# Allegro board SSOM_K1_Layout.brd (continued)
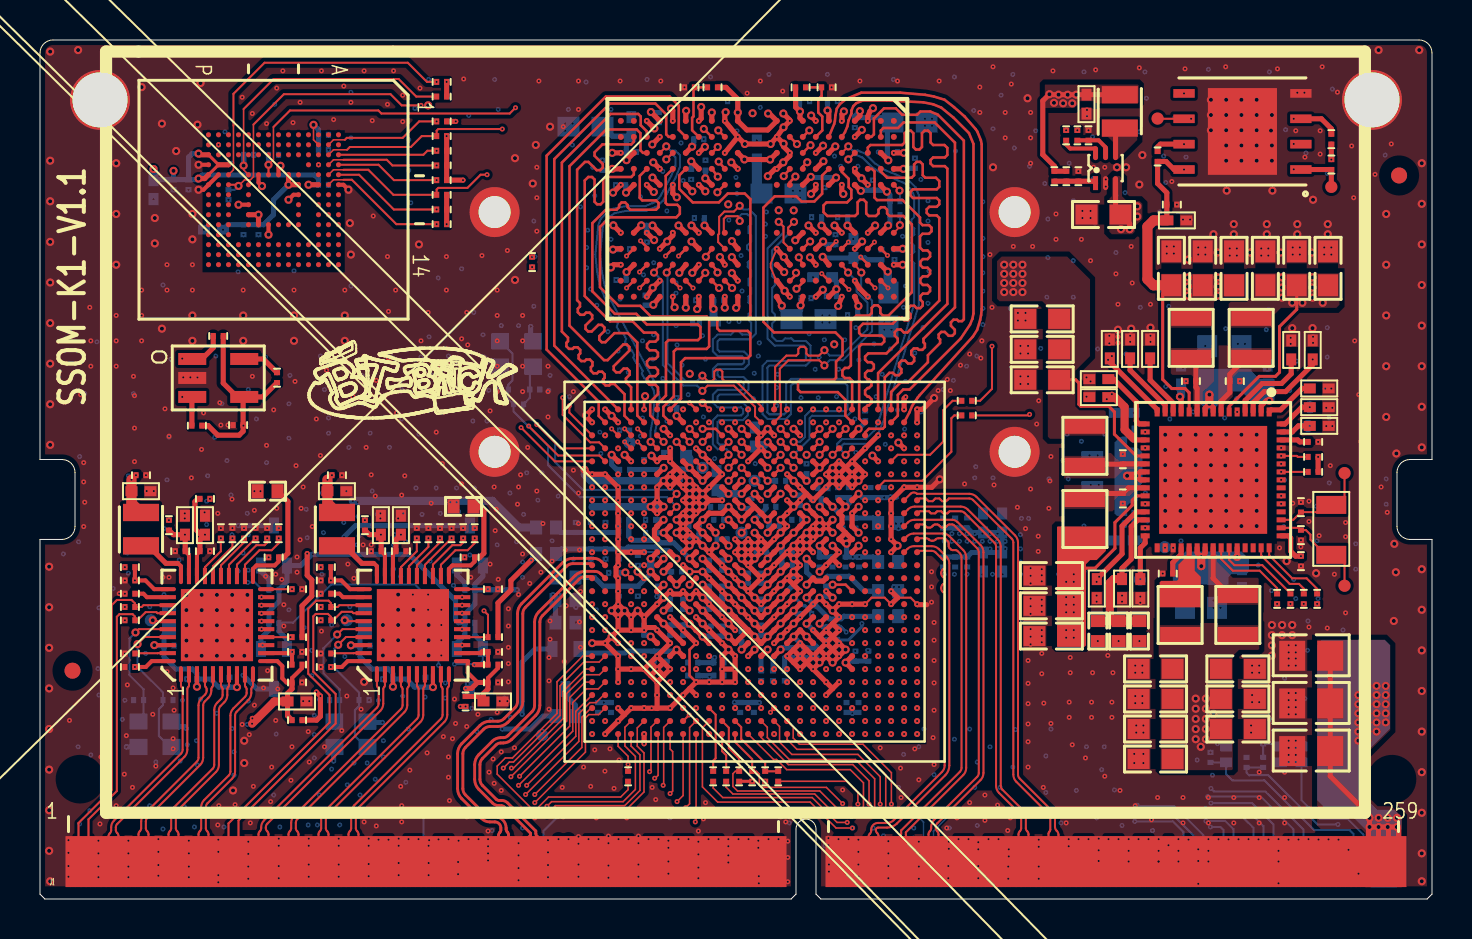
[diagram p0: board, top side]
## Nets (continued)
GND: BH2.1 BH3.1 BH4.1 BH5.1(NC_1) BH6.1(NC_1) BH11.1 C1.1 C2.1 C3.1 C4.1 C5.1 C6.1 C7.1 C8.1 C9.1 C10.1 C11.1 C12.1 C13.1 C14.1 C15.1 C16.1 C17.1 C18.1 C19.1 C20.1 C21.1 C22.1 C23.1 C24.1 C25.1 C26.1 C27.1 C28.2 C29.1 C30.1 C31.1 C32.1 C33.1 C34.1 C35.1 C36.1 C37.1 C38.2 C39.2 C40.1 C41.1 C42.2 C43.1 C44.1 C45.1 C46.1 C47.1 C48.1 C49.1 C50.1 C51.1 C52.1 C53.1 C54.1 C55.2 C56.1 C57.1 C58.1 C59.1 C60.1 C61.1 C62.1 C63.1 C64.1 C65.1 C66.2 C67.1 C68.1 C69.1 C70.1 C71.1 C72.1 C73.1 C74.1 C75.1 C76.1 C77.1 C78.1 C79.1 C80.1 C81.1 C82.1 C83.1 C84.1 C85.1 C86.1 C87.1 C88.1 C89.1 C90.1 C91.1 C92.1 C93.1 C94.1 C95.1 C96.1 C97.1 C98.1 C99.1 C100.1 C101.1 C102.1 C103.1 C104.1 C105.1 C106.1 C107.1 C108.1 C109.1 C125.1 C127.1 C129.1 C130.1 C131.1 C132.1 C133.1 C134.1 C135.1 C136.1 C137.1 C138.1 C139.1 C140.1 C141.1 C142.1 C143.1 C144.1 C145.1 C146.1 C147.1 C148.1 C149.1 C150.1 C151.1 C152.1 C153.1 C154.1 C155.1 C156.1 C157.1 C158.2 C159.1 C160.1 C161.1 C162.1 C163.1 C164.1 C165.1 C166.1 C167.1 C168.1 C169.1 C170.1 C171.1 C172.1 C173.1 C174.1 C175.2 C176.2 C177.1 C178.1 C179.1 C180.1 C181.1 C182.1 C183.1 C184.1 C185.1 C186.1 C187.1 C188.1 C189.1 C190.1 C191.1 C192.1 C193.1 C194.1 C195.1 C196.1 C197.1 C198.1 C199.1 C200.1 C201.1 C202.1 C203.1 C204.1 C205.1 C206.1 C207.1 C208.1 C209.1 C210.1 C211.1 C212.1 C213.1 C214.1 C215.1 C216.1 C217.1 C218.1 C219.1 C220.1 C221.1 C222.1 C223.2 C224.2 C225.2 C226.1 C227.2 C228.2 C229.1 C230.1 C231.2 C232.2 C233.1 C234.2 C235.1 C236.2 C237.1 C238.2 C239.2 C240.1 C241.1 C242.1 C243.2 C244.1 C245.1 C251.2 C252.1 C253.1 C254.2 C255.2 C256.1 C257.2 C258.1 C259.2 C260.1 C261.2 C262.2 C263.1 C264.1 C265.1 C266.2 C267.1 C268.1 D2.1 D3.1 J1.1 J1.2 J1.7 J1.8 J1.13 J1.14 J1.19 J1.20 J1.25 J1.26 J1.31 J1.32 J1.37 J1.38 J1.43 J1.44 J1.49 J1.50 J1.55 J1.56 J1.61 J1.62 J1.67 J1.68 J1.73 J1.74 J1.79 J1.80 J1.85 J1.86 J1.91 J1.92 J1.97 J1.98 J1.103 J1.104 J1.109 J1.115 J1.121 J1.127 J1.128 J1.133 J1.134 J1.139 J1.145 J1.146 J1.151 J1.157 J1.163 J1.169 J1.175 J1.178 J1.181 J1.182 J1.187 J1.190 J1.193 J1.199 J1.200 J1.205 J1.206 J1.211 J1.215 J1.219 J1.221 J1.235 R2.2 R14.1 R44.1 R45.2 R49.2 R53.2 R57.2 R77.1 R80.1 R91.1 R92.1 R97.1 R131.2 R132.2 R136.2 R138.2 R157.2 R159.2 R164.1 R193.2 R194.2 R219.2 R221.2 R222.2 R223.2 R224.2 R225.2 U1.A1 U1.A2 U1.A5 U1.A10 U1.A20 U1.A25 U1.A26 U1.AA3 U1.AA4 U1.AA5 U1.AA6 U1.AA7 U1.AA11 U1.AA12 U1.AA17 U1.AA18 U1.AA26 U1.AB3 U1.AB6 U1.AB9 U1.AB10 U1.AB11 U1.AB12 U1.AB19 U1.AB20 U1.AB24 U1.AC6 U1.AC8 U1.AC9 U1.AC16 U1.AC19 U1.AC25 U1.AD3 U1.AD4 U1.AD5 U1.AD6 U1.AD7 U1.AD16 U1.AE1 U1.AE3 U1.AE13 U1.AE24 U1.AE26 U1.AF1 U1.AF2 U1.AF5 U1.AF10 U1.AF15 U1.AF20 U1.AF25 U1.AF26 U1.B1 U1.B3 U1.B13 U1.B23 U1.B26 U1.C7 U1.C14 U1.C15 U1.C17 U1.C23 U1.D7 U1.D9 U1.D14 U1.D22 U1.D25 U1.E4 U1.E6 U1.E7 U1.E10 U1.E13 U1.E20 U1.E21 U1.E23 U1.F1 U1.F2 U1.F7 U1.F8 U1.F11 U1.F16 U1.F19 U1.F20 U1.F21 U1.F22 U1.G3 U1.G6 U1.G7 U1.G8 U1.G9 U1.G10 U1.G17 U1.G19 U1.G20 U1.G21 U1.G25 U1.G26 U1.H3 U1.H6 U1.H8 U1.H9 U1.H10 U1.H11 U1.H14 U1.H16 U1.H17 U1.H18 U1.H24 U1.J3 U1.J6 U1.J8 U1.J9 U1.J16 U1.J18 U1.J21 U1.J24 U1.K3 U1.K8 U1.K10 U1.K16 U1.K18 U1.K19 U1.K21 U1.K24 U1.L3 U1.L8 U1.L9 U1.L12 U1.L13 U1.L14 U1.L15 U1.L17 U1.L18 U1.L24 U1.M3 U1.M4 U1.M5 U1.M8 U1.M10 U1.M12 U1.M13 U1.M14 U1.M16 U1.M17 U1.M18 U1.M20 U1.M21 U1.M24 U1.N3 U1.N8 U1.N11 U1.N13 U1.N15 U1.N17 U1.N19 U1.N20 U1.P3 U1.P5 U1.P10 U1.P12 U1.P14 U1.P16 U1.P17 U1.R3 U1.R7 U1.R8 U1.R9 U1.R11 U1.R13 U1.R15 U1.R17 U1.R19 U1.R24 U1.T3 U1.T6 U1.T10 U1.T12 U1.T14 U1.T16 U1.T18 U1.T19 U1.T20 U1.T21 U1.T22 U1.T24 U1.T26 U1.U3 U1.U4 U1.U5 U1.U7 U1.U9 U1.U11 U1.U13 U1.U15 U1.U17 U1.U20 U1.V3 U1.V4 U1.V5 U1.V6 U1.V8 U1.V10 U1.V12 U1.V14 U1.V16 U1.V18 U1.V19 U1.V20 U1.V22 U1.V25 U1.W1 U1.W2 U1.W3 U1.W7 U1.W9 U1.W11 U1.W15 U1.W17 U1.W19 U1.W20 U1.W24 U1.Y3 U1.Y6 U1.Y11 U1.Y12 U1.Y13 U1.Y16 U1.Y17 U1.Y18 U1.Y19 U1.Y20 U1.Y24 U4.2 U5.5 U5.33 U5.57 U5.61 U6.A3 U6.A10 U6.AB3 U6.AB5 U6.AB8 U6.AB10 U6.C1 U6.C5 U6.C8 U6.C12 U6.D2 U6.D4 U6.D9 U6.D11 U6.E1 U6.E5 U6.E8 U6.E12 U6.G1 U6.G3 U6.G5 U6.G8 U6.G10 U6.G12 U6.J1 U6.J3 U6.J10 U6.J12 U6.K2 U6.K4 U6.K9 U6.K11 U6.N2 U6.N4 U6.N9 U6.N11 U6.P1 U6.P3 U6.P10 U6.P12 U6.T1 U6.T3 U6.T5 U6.T8 U6.T10 U6.T12 U6.V1 U6.V5 U6.V8 U6.V12 U6.W2 U6.W4 U6.W9 U6.W11 U6.Y1 U6.Y5 U6.Y8 U6.Y12 U7.A6 U7.C4 U7.E7 U7.G5 U7.H10 U7.J5 U7.K8 U7.N2 U7.N5 U7.P4 U7.P6 U8.4 U8.9 U9.2 U10.41 U11.41 Y1.2 Y1.4(GND#4) Y3.2 Y3.4 Y4.2 Y4.4
VBUS_ON0: R100.1 U1.E3
VCC1V8_SYS: C82.2 C83.2 C84.2 C85.2 C86.2 C87.2 C88.2 C89.2 C90.2 C138.2 C139.2 C140.2 C217.2 C218.2 C219.2 C220.2 C227.1 FB6.1 FB7.1 L6.2 Q9.1 Q10.1 Q11.1 Q12.1 R11.2 R12.2 R73.2 R74.2 R96.2 R100.2 R102.1 R103.2 R104.2 R111.1 R115.1 R125.1 R171.1 R175.1 R185.1 R208.2 U1.AA21 U1.AC3 U1.AC11 U1.AC14 U1.AD11 U1.AD21 U1.AD22 U1.F6 U1.Y21 U5.6 U7.C6 U7.M4 U7.N4 U7.P3 U7.P5 U9.4
VCC3V3_SYS: C96.2 C97.2 C99.2 C144.2 C145.2 C146.2 C214.2 C215.2 C216.2 C224.1 C225.1 FB8.1 FB9.1 FB10.1 L7.2 R93.2 R94.2 R95.2 R144.2 R145.2 R204.2 R206.2 U1.AA13 U1.AA15 U1.H21 U5.11 U7.E6 U7.F5 U7.J10 U7.K9 U8.8
VCC4V0_SYS: C1.2 C2.2 C3.2 C125.2 C129.2 C133.2 C137.2 C143.2 C147.2 C152.2 C159.2 C175.1 J1.253 J1.254 J1.255 J1.256 J1.257 J1.258 J1.259 Q2.1 R40.1 R52.2 R56.2 U4.3 U5.2 U5.8 U5.9 U5.22 U5.23 U5.36 U5.37 U5.41
VCC5V0_SYS: C157.2 U5.12
VCC_BAT: C174.2 J1.260 U5.46
VCC_M1: C25.2 C26.2 C27.2 C28.1 C29.2 C30.2 C31.2 C32.2 C33.2 C42.1 C43.2 C44.2 C45.2 C46.2 C47.2 C48.2 C49.2 C55.1 C56.2 C57.2 C58.2 C59.2 C60.2 C61.2 C62.2 C63.2 C64.2 C65.2 C66.1 C67.2 C68.2 C69.2 C70.2 C71.2 C72.2 C73.2 C74.2 C130.2 C131.2 C132.2 C134.2 C135.2 C136.2 FB1.1 FB2.1 FB3.1 FB4.1 FB5.1 L4.2 L5.2 U1.H13 U1.J10 U1.J11 U1.J12 U1.J13 U1.J14 U1.J15 U1.J17 U1.K9 U1.K15 U1.K17 U1.L10 U1.L16 U1.M15 U1.N10 U1.N12 U1.N14 U1.N16 U1.P11 U1.P13 U1.P15 U1.R10 U1.R12 U1.R14 U1.R16 U1.T9 U1.T11 U1.T13 U1.T15 U1.T17 U1.U6 U1.U8 U1.U10 U1.U12 U1.U14 U1.U16 U1.V7 U1.V9 U1.V11 U1.V13 U1.V15 U1.V17 U1.W6 U1.W8 U1.W10 U1.W12 U1.W14 U1.W16 U1.W18
VDD09_CORE_B_FB: R7.2 R47.2
VDD09_CORE_B_FBGND: R8.1 R48.2
ALDO1_3V3: C98.2 C160.2 U1.AA14 U5.3
ALDO2_2V8: C161.2 U5.4
ALDO3_2V8: C162.2 U5.1
ALDO4_2V8: C163.2 TP8.1(PIN1) U5.60
AONLDO: C164.2 TP9.1(PIN1) U5.59
AP_I2C2_SCL: J1.192 R103.1 U1.AE8 U9.1
AP_I2C2_SDA: J1.194 R104.1 U1.AD9 U9.3
AP_I2C3_SCL_3V3: J1.174 U1.AB16
AP_I2C3_SDA_3V3: J1.176 U1.AB15
AP_I2C4_SCL_3V3: J1.170 U1.AB13
AP_I2C4_SDA_3V3: J1.172 U1.AC12
AP_I2C6_SCL: J1.100 U1.C3
AP_I2C6_SDA: J1.102 U1.C2
AP_WAKE_BT: J1.241 U1.U22
AUD_VDDU09: FB2.2 U1.R18
AUD_VNEG: U1.N22
AUD_VPOS: U1.N21
AUX_MICN: U1.R22
AUX_MICP: U1.R23
BG_OUT: C109.2 TP5.1(PIN1) U1.K11
BT_RESETN: J1.243 U1.E5
BT_WAKE_AP: J1.247 U1.E2
BUCK5_2V1: C148.2 C149.2 C151.2 C165.2 C166.2 L8.2 U5.17 U5.25 U5.29
CAN_RX0: J1.166 U1.AD15
CAN_TX0: J1.168 U1.AE16
CODEC_IRQ: J1.238 U1.U25
CSI1_CKN: J1.12 U1.H4
CSI1_CKP: J1.10 U1.H5
CSI1_DN0: J1.6 U1.G4
CSI1_DN1: J1.18 U1.G1
CSI1_DN2: J1.24 U1.H1
CSI1_DN3: J1.30 U1.J4
CSI1_DP0: J1.4 U1.G5
CSI1_DP1: J1.16 U1.G2
CSI1_DP2: J1.22 U1.H2
CSI1_DP3: J1.28 U1.J5
CSI1_PWDN: J1.70 U1.D2
CSI1_RST: J1.72 U1.AF9
CSI2_CKN: J1.66 U1.L4
CSI2_CKP: J1.64 U1.L5
CSI3_CKN: J1.42 U1.K1
CSI3_CKP: J1.40 U1.K2
CSI3_DN0: J1.36 U1.J1
CSI3_DN1: J1.48 U1.K4
CSI3_DN2: J1.54 U1.L1
CSI3_DN3: J1.60 U1.M1
CSI3_DP0: J1.34 U1.J2
CSI3_DP1: J1.46 U1.K5
CSI3_DP2: J1.52 U1.L2
CSI3_DP3: J1.58 U1.M2
CSI3_PWDN: J1.84 U1.V23
CSI3_RST: J1.82 U1.D4
CSI_DVDD12: C168.2 U5.14
CSI_I2C0_SCL: J1.76 U1.C4
CSI_I2C0_SDA: J1.78 U1.C5
CSI_MCLK: J1.88 U1.D5
CSI_VCCIO18: C169.2 U5.16
DACL_N: U1.P21
DACL_P: U1.P22
DACR_N: U1.P20
DACR_P: U1.R20
DDR_CA_A0: U1.D19 U6.H2
DDR_CA_A1: U1.C19 U6.J2
DDR_CA_A2: U1.D16 U6.H9
DDR_CA_A3: U1.F15 U6.H10
DDR_CA_A4: U1.C16 U6.H11
DDR_CA_A5: U1.E15 U6.J11
DDR_CA_B0: U1.D8 U6.R2
DDR_CA_B1: U1.C9 U6.P2
DDR_CA_B2: U1.D12 U6.R9
DDR_CA_B3: U1.E12 U6.R10
DDR_CA_B4: U1.D13 U6.R11
DDR_CA_B5: U1.C13 U6.P11
DDR_CK_C_A: U1.D17 U6.J9
DDR_CK_C_B: U1.D11 U6.P9
DDR_CK_T_A: U1.E17 U6.J8
DDR_CK_T_B: U1.E11 U6.P8
DDR_CKE0_A: U1.D18 U6.J4
DDR_CKE0_B: U1.C10 U6.P4
DDR_CKE1_A: U1.C18 U6.J5
DDR_CKE1_B: U1.C11 U6.P5
DDR_CS0_A: U1.E16 U6.H4
DDR_CS0_B: U1.F12 U6.R4
DDR_CS1_A: U1.C20 U6.H3
DDR_CS1_B: U1.C8 U6.R3
DDR_DMI0_A: U1.A23 U6.C3
DDR_DMI0_B: U1.A4 U6.Y3
DDR_DMI1_A: U1.B18 U6.C10
DDR_DMI1_B: U1.B10 U6.Y10
DDR_DQ_A0: U1.C22 U6.B2
DDR_DQ_A1: U1.A24 U6.C2
DDR_DQ_A2: U1.B24 U6.E2
DDR_DQ_A3: U1.B25 U6.F2
DDR_DQ_A4: U1.B21 U6.F4
DDR_DQ_A5: U1.A21 U6.E4
DDR_DQ_A6: U1.B22 U6.C4
DDR_DQ_A7: U1.A22 U6.B4
DDR_DQ_A8: U1.A18 U6.B11
DDR_DQ_A9: U1.A17 U6.C11
DDR_DQ_A10: U1.B17 U6.E11
DDR_DQ_A11: U1.B16 U6.F11
DDR_DQ_A12: U1.A16 U6.F9
DDR_DQ_A13: U1.B20 U6.E9
DDR_DQ_A14: U1.B19 U6.C9
DDR_DQ_A15: U1.A19 U6.B9
DDR_DQ_B0: U1.B5 U6.AA2
DDR_DQ_B1: U1.B4 U6.Y2
DDR_DQ_B2: U1.A3 U6.V2
DDR_DQ_B3: U1.B2 U6.U2
DDR_DQ_B4: U1.A7 U6.U4
DDR_DQ_B5: U1.B7 U6.V4
DDR_DQ_B6: U1.A6 U6.Y4
DDR_DQ_B7: U1.B6 U6.AA4
DDR_DQ_B8: U1.B11 U6.AA11
DDR_DQ_B9: U1.A11 U6.Y11
DDR_DQ_B10: U1.B12 U6.V11
DDR_DQ_B11: U1.A13 U6.U11
DDR_DQ_B12: U1.A12 U6.U9
DDR_DQ_B13: U1.A8 U6.V9
DDR_DQ_B14: U1.B9 U6.Y9
DDR_DQ_B15: U1.A9 U6.AA9
DDR_DQS0_C_A: U1.D21 U6.E3
DDR_DQS0_C_B: U1.D6 U6.V3
DDR_DQS0_T_A: U1.D20 U6.D3
DDR_DQS0_T_B: U1.C6 U6.W3
DDR_DQS1_C_A: U1.A15 U6.E10
DDR_DQS1_C_B: U1.A14 U6.V10
DDR_DQS1_T_A: U1.B15 U6.D10
DDR_DQS1_T_B: U1.B14 U6.W10
DDR_LDO_CAP: C4.2 U1.F17
DDR_ODT_A: R77.2 R78.2 U6.G2
DDR_ODT_B: R79.2 R80.2 U6.T2
DDR_RESET_N: U1.F13 U6.T11
DLDO6_1V8: C172.2 FB11.1 FB12.1 FB13.1 U5.28
DLDO7_1V8: C173.2 TP10.1(PIN1) U5.30
EAR_N: U1.N26
EAR_P: U1.N25
EMMC_CLK: R1.1 R92.2 U7.M6
EMMC_CMD: R89.1 U1.F25 U7.M5
EMMC_D0: R81.1 U1.D26 U7.A3
EMMC_D1: R82.1 U1.D24 U7.A4
EMMC_D2: R83.1 U1.C26 U7.A5
EMMC_D3: R84.1 U1.E25 U7.B2
EMMC_D4: R85.1 U1.D23 U7.B3
EMMC_D5: R86.1 U1.E26 U7.B4
EMMC_D6: R87.1 U1.E22 U7.B5
EMMC_D7: R88.1 U1.C25 U7.B6
EMMC_DS: R91.2 U1.C24 U7.H5
EXT_32K_IN: R13.2 R14.2 U1.AE12
GMAC0_INT_N: Q10.2(S) R115.2 U1.AD23
GMAC0_MDC: U1.AD24 U10.13
GMAC0_MDIO: R125.2 U1.AE25 U10.14
GMAC0_REF0_CLK_25M: J1.63 U1.AF24
GMAC0_RSTN_L: Q9.2(S) R111.2 U1.W21
GMAC0_RXCLK: R132.1 U1.AB18 U10.27
GMAC0_RXD0: R224.1 U1.AD18 U10.25
GMAC0_RXD1: R223.1 U1.AB17 U10.24
GMAC0_RXD2: R225.1 U1.AD17 U10.23
GMAC0_RXD3: R128.2 U1.AC17 U10.22
GMAC0_RXDV: R136.1 U1.AC18 U10.26
GMAC0_TXCLK: C242.2 U1.AF17 U10.20
GMAC0_TXD0: U1.AF18 U10.18
GMAC0_TXD1: U1.AE18 U10.17
GMAC0_TXD2: U1.AF19 U10.16
GMAC0_TXD3: U1.AE19 U10.15
GMAC0_TXEN: U1.AE17 U10.19
GMAC1_INT_N: Q12.2(S) R175.2 U1.AC23
GMAC1_MDC: U1.AB21 U11.13
GMAC1_MDIO: R185.2 U1.AC22 U11.14
GMAC1_REF0_CLK_25M: J1.65 U1.AE23
GMAC1_RSTN_L: Q11.2(S) R171.2 U1.Y26
GMAC1_RXCLK: R194.1 U1.AA19 U11.27
GMAC1_RXD0: R131.1 U1.AD19 U11.25
GMAC1_RXD1: R222.1 U1.AC20 U11.24
GMAC1_RXD2: R138.1 U1.AD20 U11.23
GMAC1_RXD3: R188.2 U1.AC21 U11.22
GMAC1_RXDV: R193.1 U1.AA20 U11.26
GMAC1_TXCLK: C265.2 U1.AE20 U11.20
GMAC1_TXD0: U1.AE21 U11.18
GMAC1_TXD1: U1.AF22 U11.17
GMAC1_TXD2: U1.AE22 U11.16
GMAC1_TXD3: U1.AF23 U11.15
GMAC1_TXEN: U1.AF21 U11.19
GPADC1: U5.49
GPADC2: U5.43
GPADC3: U5.42
GPIO_47: J1.186 U1.AC13
GPIO_48: J1.188 U1.AD13
GPIO_74: J1.106 U1.Y2
GPIO_90: J1.130 U1.AE5
GPIO_91: J1.132 U1.AE6
GPIO_92: J1.124 U1.AE4
GPIO_96: J1.184 U1.AE10
HDMI_CEC: J1.136 U1.AF6
HDMI_HPD: J1.138 U1.AE7
HDMI_SCL: J1.162 U1.AC10
HDMI_TX0N: J1.135 U1.AB5
HDMI_TX0P: J1.137 U1.AC5
HDMI_TX1N: J1.141 U1.AB7
HDMI_TX1P: J1.143 U1.AC7
HDMI_TX2N: J1.147 U1.AA8
HDMI_TX2P: J1.149 U1.AB8
HDMI_TXCN: J1.129 U1.AB4
HDMI_TXCP: J1.131 U1.AC4
HMDI_SDA: J1.164 U1.AD8
HP_MICN: U1.R26
HP_MICP: U1.R25
HS_L: U1.N24
HS_R: U1.N23
HSDET: U1.U23
I2S0_LRCK: J1.232 U1.W25
I2S0_RXD: J1.236 U1.V21
I2S0_SCLK: J1.230 U1.W26
I2S0_SYSCLK: J1.234 U1.V26
I2S0_TXD: J1.228 U1.V24
I2S1_LRCK: J1.222 U1.Y22
I2S1_RXD: J1.224 U1.Y25
I2S1_SCLK: J1.220 U1.AA25
I2S1_TXD: J1.226 U1.Y23
JTAG_SEL: J1.126 U1.AF4
LCD_BL_EN_1V8: J1.140 U1.AF7
LCD_BL_PWM_1V8: J1.96 U1.AB22
LCD_PWR_EN_1V8: J1.142 U1.AF8
LCD_RST_1V8: J1.144 U1.AE9
LCD_VCC5V0: C158.1 U5.13
LINE_L: U1.P24
LINE_R: U1.P23
MAIN_MICN: U1.P25
MAIN_MICP: U1.P26
MICBIAS_HP: U1.U24
MICBIAS_MAIN: U1.T25
MICDET: U1.T23
MIPI_DSI1_CLKN: J1.111 U1.V1
MIPI_DSI1_CLKP: J1.113 U1.V2
MIPI_DSI1_D0N: J1.123 U1.Y4
MIPI_DSI1_D0P: J1.125 U1.Y5
MIPI_DSI1_D1N: J1.117 U1.W4
MIPI_DSI1_D1P: J1.119 U1.W5
MIPI_DSI1_D2N: J1.105 U1.U1
MIPI_DSI1_D2P: J1.107 U1.U2
MIPI_DSI1_D3N: J1.99 U1.T1
MIPI_DSI1_D3P: J1.101 U1.T2
MIPI_LCD_ADC_1V8: J1.180 U5.51
ONKEYN: R99.1 U5.55
PA_SHUTDOWN: J1.240 U1.U26
PCIEB_CLKREQN: J1.116 U1.AC1
PCIEB_PERSTN: J1.120 U1.AD1
PCIEB_REFCLK_N: J1.159 U1.L26
PCIEB_REFCLK_P: J1.161 U1.L25
PCIEB_RX0N: J1.165 U1.K26
PCIEB_RX0P: J1.167 U1.K25
PCIEB_RX1N: J1.153 U1.M26
PCIEB_RX1P: J1.155 U1.M25
PCIEB_TX0N: J1.177 U1.L23
PCIEB_TX0P: J1.179 U1.L22
PCIEB_TX1N: J1.171 U1.M23
PCIEB_TX1P: J1.173 U1.M22
PCIEB_WAKEN: J1.122 U1.AD2
PCIEC_CLKREQN: J1.217 U1.W22
PCIEC_PERSTN: J1.118 U1.AC2
PCIEC_REFCLK_N: J1.201 U1.J23
PCIEC_REFCLK_P: J1.203 U1.J22
PCIEC_RX0N: J1.189 U1.H26
PCIEC_RX0P: J1.191 U1.H25
PCIEC_RX1N: J1.183 U1.J26
PCIEC_RX1P: J1.185 U1.J25
PCIEC_TX0N: J1.207 U1.H23
PCIEC_TX0P: J1.209 U1.H22
PCIEC_TX1N: J1.195 U1.K23
PCIEC_TX1P: J1.197 U1.K22
PCIEC_WAKEN: J1.213 U1.D3
PHY0_AVDD10: C228.1 C238.1 C239.1 FB14.1 U10.3 U10.8 U10.38
PHY0_AVDD33: C231.1 C243.1 C244.2 R112.1 R116.1 R144.1 U10.11 U10.40
PHY0_CLKOUT125: TP95.1(PIN1) U10.35
PHY0_DVDD10: C240.2 FB15.1 U10.21
PHY0_DVDD33: C232.1 C233.2 R145.1 R152.1 U10.29
PHY0_LED0/CFG_EXT: R157.1 U10.32
PHY0_LED1/CFG_LDO0: J1.33 R159.1 U10.33
PHY0_LED2/CFG_LDO1: J1.35 R152.2 U10.34
PHY0_MDI0+: J1.39 U10.1
PHY0_MDI0-: J1.41 U10.2
PHY0_MDI1+: J1.45 U10.4
PHY0_MDI1-: J1.47 U10.5
PHY0_MDI2+: J1.51 U10.6
PHY0_MDI2-: J1.53 U10.7
PHY0_MDI3+: J1.57 U10.9
PHY0_MDI3-: J1.59 U10.10
PHY0_NINT_3V3: C245.2 Q10.3 R116.2 U10.31
PHY0_NRST_3V3: C241.2 Q9.3 R112.2 U10.12
PHY0_REG_OUT: L10.1 U10.30
PHY0_RSET: R97.2 U10.39
PHY0_VDD1V0: C236.1 C237.2 FB14.2 FB15.2 L10.2
PHY0_VDDIO: C234.1 C235.2 R128.1 U10.28
PHY0_XTALIN: C230.2 U10.36 Y3.3(X2)
PHY0_XTALOUT: C229.2 U10.37(XTAL_OUT/EXT_CLK) Y3.1
PHY1_AVDD10: C251.1 C261.1 C262.1 FB16.1 U11.3 U11.8 U11.38
PHY1_AVDD33: C254.1 C266.1 C267.2 R172.1 R176.1 R204.1 U11.11 U11.40
PHY1_CLKOUT125: TP96.1(PIN1) U11.35
PHY1_DVDD10: C263.2 FB17.1 U11.21
PHY1_DVDD33: C255.1 C256.2 R206.1 R211.1 U11.29
PHY1_LED0/CFG_EXT: R219.1 U11.32
PHY1_LED1/CFG_LDO0: J1.3 R221.1 U11.33
PHY1_LED2/CFG_LDO1: J1.5 R211.2 U11.34
PHY1_MDI0+: J1.9 U11.1
PHY1_MDI0-: J1.11 U11.2
PHY1_MDI1+: J1.15 U11.4
PHY1_MDI1-: J1.17 U11.5
PHY1_MDI2+: J1.21 U11.6
PHY1_MDI2-: J1.23 U11.7
PHY1_MDI3+: J1.27 U11.9
PHY1_MDI3-: J1.29 U11.10
PHY1_NINT_3V3: C268.2 Q12.3 R176.2 U11.31
PHY1_NRST_3V3: C264.2 Q11.3 R172.2 U11.12
PHY1_REG_OUT: L11.1 U11.30
PHY1_RSET: R164.2 U11.39
PHY1_VDD1V0: C259.1 C260.2 FB16.2 FB17.2 L11.2
PHY1_VDDIO: C257.1 C258.2 R188.1 R208.1 U11.28
PHY1_XTALIN: C253.2 U11.36 Y4.3(X2)
PHY1_XTALOUT: C252.2 U11.37(XTAL_OUT/EXT_CLK) Y4.1
PI2C_SCL: R11.1 R71.2 U1.AE11
PI2C_SDA: R12.1 R72.2 U1.AF12
PMIC_32K_OUT: R13.1 U5.50
PMIC_INT_N: R15.2 U1.AD10
PMIC_INT_OUTN: R15.1 R73.1 U5.54
PMIC_RST_OUTN: D1.1 R74.1 R96.1 R98.2 U5.56
PRI_TRST_N: R18.2 U1.Y1
QSPI_CLK: R16.2 TP14.1(PIN1) U8.6
QSPI_CS1: R94.1 TP15.1(PIN1) U1.G24 U8.1
QSPI_DATA0: J1.248 U1.F26 U8.5
QSPI_DATA1: J1.246 U1.F24 U8.2
QSPI_DATA2: J1.244 R93.1 U1.F23 U8.3(WP/SIO2)
QSPI_DATA3: J1.242 R95.1 U1.G22 U8.7
R_I2C0_SCL_3V3: J1.196 U1.AF13
R_I2C0_SDA_3V3: J1.198 U1.AD12
RESET_IN_N: C226.2 J1.251 R18.1 R98.1 U1.AF3
SD0_CD_3V3: J1.154 U1.AF16
SD0_CLK: J1.150 U1.AE14
SD0_CMD: J1.158 U1.AD14
SD0_DATA0: J1.160 U1.AB14
SD0_DATA1: J1.148 U1.AF14
SD0_DATA2: J1.156 U1.AA16
SD0_DATA3: J1.152 U1.AE15
SDIO2_CLK: J1.233 U1.AB25
SDIO2_CMD: J1.231 U1.AB23
SDIO2_DATA0: J1.223 U1.AC26
SDIO2_DATA1: J1.225 U1.AC24
SDIO2_DATA2: J1.227 U1.AD25
SDIO2_DATA3: J1.229 U1.AD26
SLEEP_OUT: J1.249 R17.1 U5.53
SLEEP_OUT_1: R17.2 U1.AF11
SW_PWRON: D2.2(CATHODE) J1.250 R99.2
SW_RST: D1.2(CATHODE) D3.2(CATHODE) J1.252
TP_INT_1V8: J1.202 U1.C1
TP_RST_1V8: J1.204 U1.D1
UART0_RXD: J1.208 U1.F3
UART0_TXD: J1.210 U1.F4
UART2_CTS: J1.212 U1.AA24
UART2_RTS: J1.214 U1.AA23
UART2_RXD: J1.216 U1.AB26
UART2_TXD: J1.218 U1.AA22
UART5_CTS: J1.108 U1.AA1
UART5_RTS: J1.110 U1.AA2
UART5_RXD: J1.114 U1.AB2
UART5_TXD: J1.112 U1.AB1
USB0_DN: J1.83 U1.T4
USB0_DP: J1.81 U1.T5
USB1_DN: J1.77 U1.R4
USB1_DP: J1.75 U1.R5
USB2_DN: J1.89 U1.N1
USB2_DP: J1.87 U1.N2
USB2_PWREN: J1.90 U1.U21
USB3_PWREN: J1.94 U1.AC15
USB3_RXN: J1.95 U1.P1
USB3_RXP: J1.93 U1.P2
USB3_TXN: J1.71 U1.N4
USB3_TXP: J1.69 U1.N5
WL_DIS_N: J1.237 U1.W23
WL_REG_ON: J1.239 U1.E1
WL_WAKE_AP: J1.245 U1.F5
XI_PAD: C107.2 R19.2 U1.H7 Y1.1
XO_PAD: C108.2 R19.1 U1.J7 Y1.3
N17305244: R1.2 U1.E24
N17305702: R2.1 U1.F14
N17305718: TP1.1(PIN1) U1.G14
N17305731: TP2.1(PIN1) U1.E9
N17305747: R3.1 U1.D10
N17570956: C103.2 U1.Y15
N17570970: C102.2 U1.W13
N17570976: R9.1 R10.1 U1.M9 U1.N9 U1.P9
N17570992: C101.2 U1.Y14
N17571044: C100.2 U1.J19
N19150023: L4.1 U5.38
N19150163: L5.1 U5.35
N19150295: C141.2 L6.1 U5.7
N19150407: C142.2 L7.1 U5.10
N19150503: C150.2 L8.1 U5.24
N19150649: C156.2 L9.1 U5.21
N19150719: R56.1 R57.1 U5.19
N19151362: C176.1 U5.58
N19151393: R71.1 U5.45
N19151422: R72.1 U5.44
N19151441: C177.2 TP11.1(PIN1) U5.47(XTALOUT) Y2.1
N19151502: C178.2 TP13.1(PIN1) U5.48 Y2.2
N19151576: TP12.1(PIN1) U5.32
N19316433: TP3.1(PIN1) U1.K13
N19316448: TP4.1(PIN1) U1.AE2
N19320130: C20.2 U1.R21
N19444825: L3.1 U4.4(SW)
N19444865: R40.2 U4.6
N19444907: C126.1 R41.2 R45.1 U4.1
N19446273: R47.1 U5.39
N19446276: R48.1 U5.40
N19449192: R49.1 U5.34
N19552508: R8.2 U1.U19(VSS_FB)
N19650065: R7.1 U1.U18
N19801293: R75.2 U6.A5
N19801297: R76.2 U6.A8
N19805466: C221.2 C222.2 U7.C2
N19805593: C223.1 R90.1 U7.K5
N19918006: R52.1 R53.1 U5.26
N20806377: R43.2 R44.2 U4.5
N20901873: R16.1 U1.G23
N23332666: R101.1 U1.P4
N23398267: R102.2 U9.5(WP)

Pads without a net: MK1 1; MK2 1; MK3 1; MK4 1; U1 R1 R2; U5 31 52; U6 A1 A2 A11 A12 AA1 AA12 AB1 AB2 AB11 AB12 B1 B12 G11 K5 K8 N5 N8; U7 A1 A2 A7 A8 A9 A10 A11 A12 A13 A14 B1 B7 B8 B9 B10 B11 B12 B13 B14 C1 C3 C5 C7 C8 C9 C10 C11 C12 C13 C14 D1 D2 D3 D4 D12 D13 D14 E1 E2 E3 E5 E8 E9 E10 E12 E13 E14 F1 F2 F3 F10 F12 F13 F14 G1 G2 G3 G10 G12 G13 G14 H1 H2 H3 H12 H13 H14 J1 J2 J3 J12 J13 J14 K1 K2 K3 K6 K7 K10 K12 K13 K14 L1 L2 L3 L12 L13 L14 M1 M2 M3 M7 M8 M9 M10 M11 M12 M13 M14 N1 N3 N6 N7 N8 N9 N10 N11 N12 N13 N14 P1 P2 P7 P8 P9 P10 P11 P12 P13 P14

## Via types
v1: diameter 0.254, hole 0.102, TOP to L3, 993 vias
v2: diameter 0.406, hole 0.203, L3 to L6, 426 vias
v3: diameter 0.254, hole 0.102, L6 to L7, 171 vias
v4: diameter 0.254, hole 0.102, L6 to BOTTOM, 626 vias
v5: diameter 0.406, hole 0.203, TOP to BOTTOM, 728 vias
v6: diameter 0.254, hole 0.102, L7 to BOTTOM, 335 vias
v7: diameter 0.254, hole 0.102, TOP to L2, 560 vias
v8: diameter 0.254, hole 0.102, L2 to L3, 195 vias
v9: diameter 0.406, hole 0.203, L2 to L7, 106 vias

## Routing (per net, layer and track width the routed paths; a pad name or vN(x,y) marks a point on that pad's centre or on a via; arc(x,y) is an arc through that point)
AVDD3V3_AUD: length 5.3
  TOP w0.254: U1.N18 v5(38.33,17.03)
  BOTTOM w0.203: 39.27,16.05 39.19,15.97 38.99,15.97
  BOTTOM w0.254: FB9.2 41.21,15.41 40.46,16.15 39.37,16.15 39.27,16.05 ; v5(38.33,17.03) 38.33,16.36 38.71,15.97 38.99,15.97
AVDD06_DDR: length 48.7
  TOP w0.254: U6.W5 v5(30.63,36.11) ; U6.W12 v5(30.67,29.74) ; v5(40.99,39.44) 40.99,39.2 U6.D1 ; U6.F3 39.44,37.35 v5(39.76,37.67) ; U6.D8 v5(40.38,33.71) ; U6.AA5 v5(29.3,35.36) ; U1.E19 v5(38.98,21.58) ; v5(38.98,21.58) U1.F18 ; v5(38.98,21.58) U1.E18 ; U6.U3 32.29,37.35 v5(32.6,37.66) ; U6.B5 42.04,35.71 v5(42.35,35.41) ; L3.2 53.99,40.26 C127.2 v5(51.82,40.26) v5(50.93,40.26) 50.49,40.26 v5(50.47,40.28) 50.14,39.95 50.14,37.26 50.72,36.68 R41.1 C126.2 ; U1.F10 v5(33.13,20.93) U1.F9 v5(32.48,21.58) U1.E8 ; U6.AA3 v5(29.33,36.98) ; U6.W8 v5(30.63,33.71) ; U1.G13 v5(35.08,20.28) ; U6.AA10 v5(29.33,31.39) ; U1.C12 v5(34.43,23.53) ; U1.G11 v5(34.43,20.28) ; U6.F10 v5(39.13,32.14) ; U1.C21 v5(40.93,23.53) ; U1.G16 v5(37.68,20.28) ; U6.D5 v5(41.04,35.45) ; U6.U10 v5(31.97,31.34) ; U1.D15 v5(36.38,22.88) ; U6.B10 v5(42.39,31.4) ; U6.B3 v5(42.41,36.97) ; U6.D12 v5(40.92,29.69) ; v5(30.55,39.39) U6.W1 ; U1.B8 v5(31.83,24.18) ; U6.AA8 v5(30.06,33.72) ; U6.B8 v5(42.41,33.71)
  BOTTOM w0.254: C206.2 29.28,35.38 v5(29.3,35.36) ; v5(31.83,24.18) 31.83,24.19 C54.2 ; v5(30.55,39.39) 30.57,39.37 C211.2 ; C203.2 29.31,31.37 v5(29.33,31.39) ; v5(32.48,21.58) 32.41,21.51 C50.2 ; 30.33,33.72 30.62,33.72 v5(30.63,33.71) ; 30.33,33.72 v5(30.06,33.72) ; 30.33,33.72 30.34,33.71 C210.2 ; C199.2 28.6,38.18 C201.2 29.32,37.93 C202.2 29.32,36.99 v5(29.33,36.98) ; v5(42.41,36.97) 42.37,37.02 C204.2 42.37,38.6 C198.2 42.38,39.11 C205.2 40.74,39.19 v5(40.99,39.44) ; v5(40.38,33.71) 40.38,33.72 C207.2 ; C53.2 40.88,29.65 v5(40.92,29.69) ; v5(42.41,33.71) 42.5,33.8 R76.1 R75.1 42.5,35.26 v5(42.35,35.41) 42.27,35.48 C212.2 41.08,35.48 v5(41.04,35.45) ; C51.2 37.75,20.21 v5(37.68,20.28) ; C213.2 30.64,29.72 v5(30.67,29.74) ; v5(40.93,23.53) 41.26,23.86 C52.2 ; C209.2 32.69,37.74 v5(32.6,37.66) ; v5(39.13,32.14) 39.19,32.09 C200.2 41.25,32.09 41.34,31.99 C208.2 42.07,31.72 v5(42.39,31.4)
  BOTTOM w0.381: v5(35.08,20.28) v5(34.43,20.28) 34.01,20.28 C38.1 ; C39.1 32.48,22.06 v5(32.48,21.58) ; C40.2 35.82,22.72 36.22,22.72 v5(36.38,22.88)
  BOTTOM w0.406: C41.2 42.39,30.4 v5(42.39,31.4)
  vias: v5(50.7,39.85) v5(51.16,39.83) v5(51.38,40.26) v5(51.61,39.83)
AVDD09_AFEAP: length 14.4
  TOP w0.254: U1.L11 v5(34.43,17.68)
  L6 w0.254: v5(34.43,17.68) 34.42,17.68 33.57,16.83 33.57,12.99 33.3,12.72 32.84,12.72 32.26,13.31 31.39,13.31 30.78,12.7 30.28,12.7 29.01,13.97 27.43,13.97 v4(26.8,14.61)
  BOTTOM w0.254: v5(34.43,17.68) 34.35,17.76 C78.2 ; FB1.2 26.78,14.63 v4(26.8,14.61)
AVDD09_CSI: length 18.3
  TOP w0.254: U1.N7 31.5,16.71 v5(31.18,16.38) ; 40.28,18.33 U1.L21 40.55,18.01 v5(40.33,17.79) 40.23,17.79 40.01,18.01 U1.L20 40.28,18.33 ; 40.28,18.33 U1.K20 40.1,18.8 40.1,19.16 U1.J20 v5(40.28,19.63) U1.H20 ; U1.T7 v5(31.18,14.43) ; U1.L7 v5(31.18,18.33) U1.K7
  L3 w0.254: v1(32.81,12.16) 33.08,11.89 v2(33.12,11.89) 33.18,11.89 v1(33.46,12.16)
  L3 w0.406: 40.28,17.63 40.28,17.43
  L6 w0.254: v4(33.73,12.09) 33.53,11.89 v2(33.12,11.89) ; v5(31.18,16.38) 30.69,15.9 28.87,15.9 v4(28.44,16.33) ; 40.84,17.12 v4(40.64,17.12) 40.49,17.12 v2(40.28,17.32) 40.33,17.37 40.33,17.63 ; 40.84,17.12 v4(40.96,17.12) ; 40.84,17.12 40.33,17.63 ; v5(40.33,17.79) 40.33,17.63
  BOTTOM w0.254: v5(40.28,19.63) 40.44,19.8 C5.2 C10.2 ; C13.2 31.18,18.34 v5(31.18,18.33) ; C11.2 v5(31.18,16.38) ; v5(40.33,17.79) 40.33,17.78 40.33,17.17 C8.2 v4(40.64,17.12) v4(40.96,17.12) 41.66,17.12 FB5.2 ; C75.2 C6.2 33.69,12.05 v4(33.73,12.09) ; v5(31.18,14.43) 31.25,14.51 C12.2
AVDD09_PLL: length 13.6
  TOP w0.254: U1.M11 v5(34.43,17.03)
  L6 w0.254: v5(34.43,17.03) 33.97,16.57 33.97,12.89 33.43,12.34 32.66,12.34 32.11,12.9 31.46,12.9 30.92,12.37 30,12.37 28.82,13.54 27.1,13.54 v4(26.8,13.84)
  BOTTOM w0.254: v5(34.43,17.03) 34.36,16.96 C77.2
AVDD09_USB: length 9.1
  TOP w0.254: U1.P8 v5(31.83,15.73) U1.P7 ; U1.M7 v5(31.83,17.03)
  L6 w0.406: v5(31.83,17.03) 31.83,17.03 v5(31.83,15.73)
  BOTTOM w0.254: v5(31.83,17.03) 31.42,17.45 30.95,17.45 30.77,17.62 29.41,17.62 29.31,17.52 C80.2 C81.2 C79.2 26.06,17.52 FB4.2
AVDD11_DDR: length 38.6
  TOP w0.152: U5.20 54.81,22.18 53.72,23.27 53.72,24.38 53.44,24.66 52.04,24.66 51.94,24.77 51.94,25.83 51.79,25.99 C153.2
  TOP w0.254: U6.U5 32.29,35.75 v5(32.62,35.42) ; U6.K12 v5(37.09,29.7) ; U6.F5 v5(39.8,36.11) ; v5(34.59,32.13) 34.59,32.13 U6.N10 ; U6.N3 v5(35.22,37.02) 36.04,37.02 36.05,37.01 v5(36.51,37.01) U6.K3 ; U6.A9 43.13,32.55 v5(43.14,32.55) ; U6.R12 33.59,29.62 v5(33.68,29.53) ; R79.1 34.3,40.63 34.89,40.04 v5(34.89,39.37) U6.N1 35.34,38.49 36.39,38.49 U6.K1 36.47,39.32 v5(36.4,39.32) ; U6.F8 v5(39.08,33.71) ; U6.H8 v5(37.76,32.97) ; U6.N12 34.89,29.67 v5(34.81,29.59) ; U6.R1 v5(33.59,39.37) ; U6.AB4 v5(28.61,36.55) ; U6.R8 v5(33.23,33.71) ; v5(28.65,32.51) 28.69,32.55 U6.AB9 ; U6.H1 38,39.09 v5(38,39.42) 37.78,39.64 R78.1 ; U6.R5 v5(33.26,36.07) ; U6.K10 v5(37.21,31.38) ; U1.G12 v5(35.08,20.93) ; U1.G15 v5(36.38,20.28) ; U6.A4 v5(43.17,36.55) ; U6.H5 v5(38.54,36.15) ; U6.H12 v5(38.03,29.72) ; U6.U8 v5(31.93,33.71)
  BOTTOM w0.254: v5(33.23,33.71) 33.22,33.72 C188.2 ; v5(28.65,32.51) 28.67,32.53 C37.2 ; C191.2 28.54,36.48 v5(28.61,36.55) ; v5(37.09,29.7) 37.09,29.51 C180.2 38.03,29.47 v5(38.03,29.72) 38.05,29.74 C183.2 ; v5(35.22,37.02) 35.22,37.02 C181.2 36.5,37.02 v5(36.51,37.01) ; C184.2 39.08,33.72 v5(39.08,33.71) ; v5(33.68,29.53) 33.68,29.54 C36.2 ; C192.2 34.88,39.38 v5(34.89,39.37) ; v5(33.26,36.07) 33.27,36.08 C189.2 ; v5(39.8,36.11) 39.8,36.11 C185.2 38.57,36.11 v5(38.54,36.15) ; v5(38,39.42) 37.98,39.44 C190.2 ; v5(43.14,32.55) 43.1,32.51 C187.2 ; v5(43.17,36.55) 43.21,36.58 C186.2
  BOTTOM w0.406: C182.2 33.68,28.98 v5(33.68,29.53)
  BOTTOM w0.508: C181.2 35.84,35.54 C179.2
  vias: v5(32.49,26.29) v5(34.41,34.77) v5(35.63,39.33) v5(36.93,34.48) v5(37.69,34.47) v5(48.21,31.75) v5(48.21,31.29) v5(48.21,30.84) v5(48.21,30.38) v5(48.67,31.75) v5(48.67,31.29) v5(48.67,30.84) v5(48.67,30.38) v5(49.12,31.75) v5(49.12,31.29) v5(49.12,30.84) v5(49.12,30.38)
AVDD12_DSI: length 6.9
  TOP w0.254: U1.T8 v5(32.48,14.43) ; U5.15 55.86,24.51 53.49,26.87 C167.2
  L3 w0.254: v2(53.49,26.67) 53.49,26.9 v1(53.4,26.99) v1(53.59,27.18)
  L6 w0.254: 53.47,26.65 v3(53.47,26.29) ; 53.47,26.65 v2(53.49,26.67) ; 53.47,26.65 53.21,26.39 v3(53.21,26.16) ; v3(53.47,26.29) 53.34,26.16 v3(53.21,26.16) ; v3(53.47,26.29) v3(53.47,26.04) 53.34,26.04 v3(53.21,26.16)
  BOTTOM w0.254: v5(32.48,14.43) 32.41,14.51 C19.2
AVDD18_AFEAP: length 11.6
  TOP w0.254: U1.K12 v5(34.43,18.98)
  L3 w0.254: v1(52.89,12.91) v2(52.89,12.56)
  L6 w0.305: 44.32,17.4 44.45,17.27
  L6 w0.356: 44.45,17.27 46.99,17.27 51.71,12.56 v2(52.89,12.56)